# Altium PCB KSDK.PcbDoc (part 1 of 2)
Units mil, origin at the board's own origin, x right, y up, seen from the top; angles counter-clockwise.
Board outline 2046.95 x 2834.35 mil, 2 copper layers (Top Layer, Bottom Layer), stack 49.606 mil thick; 93 components, 114 nets, 465 pads, 312 vias.
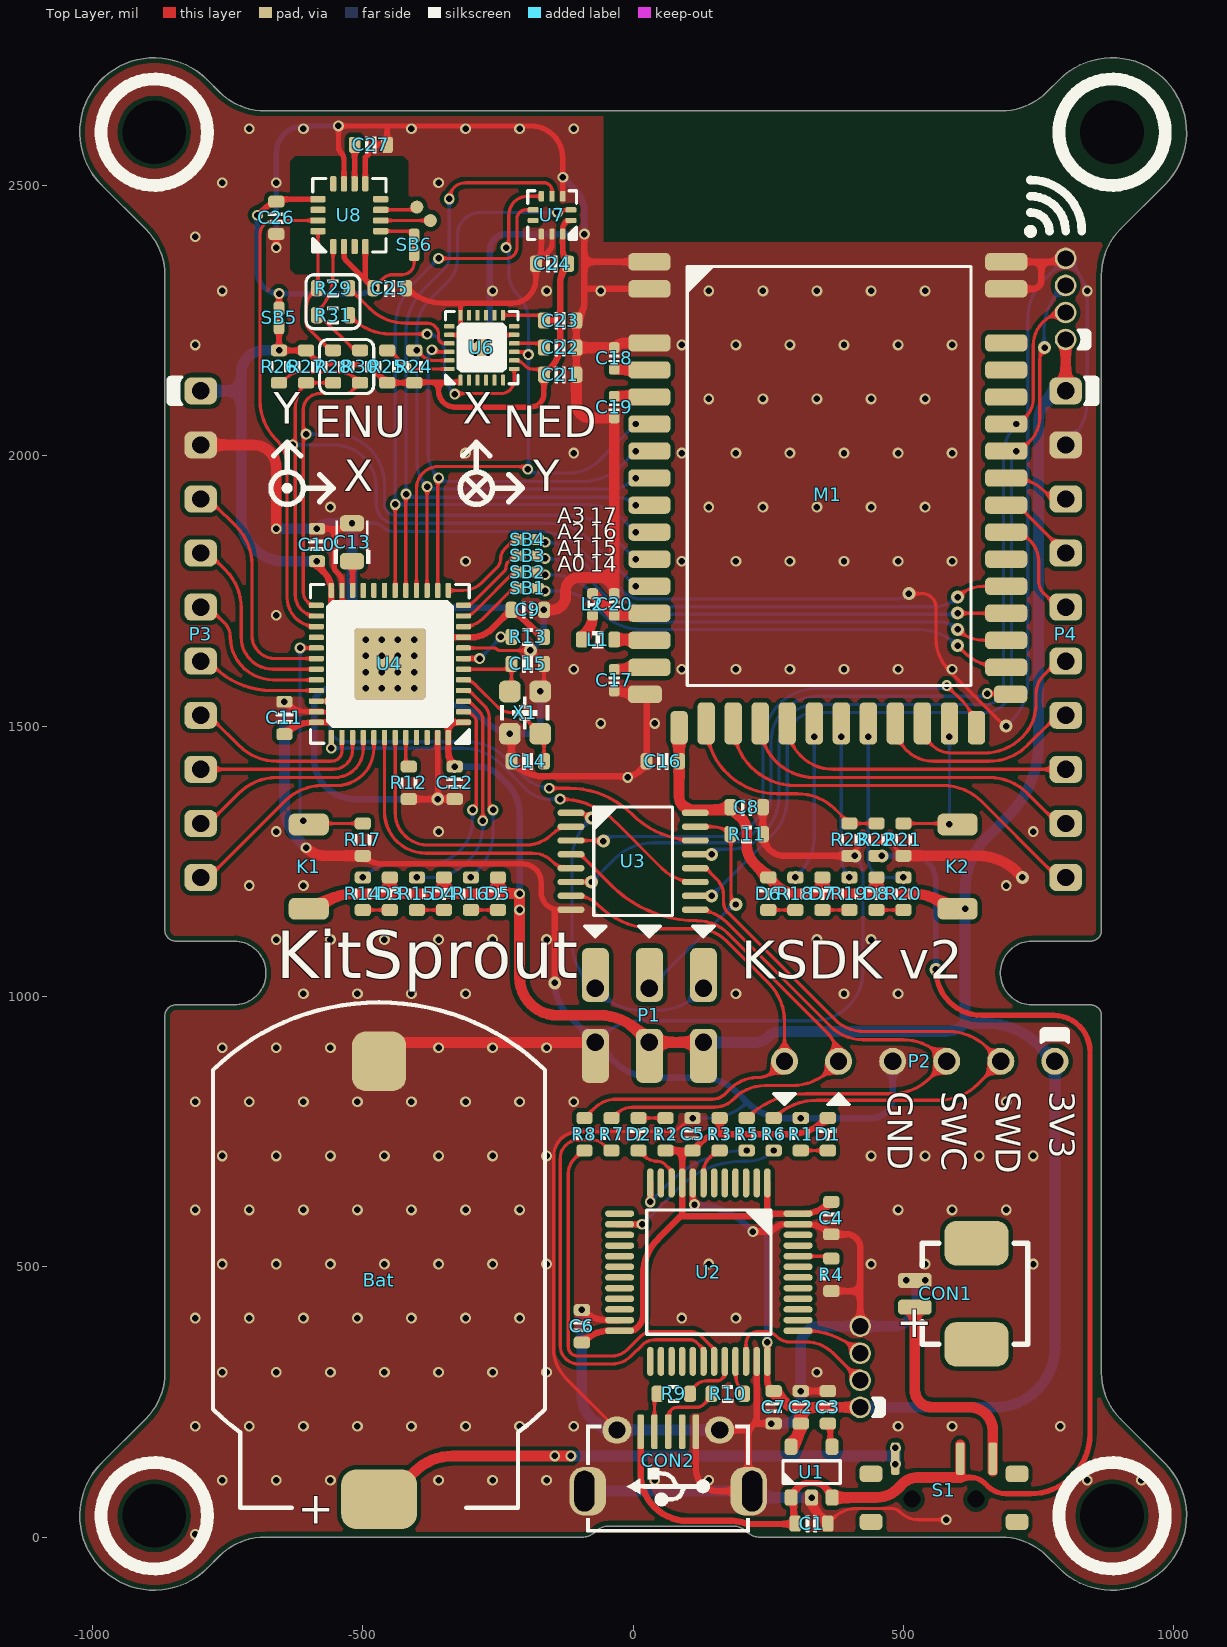
[diagram p0: Top Layer view]
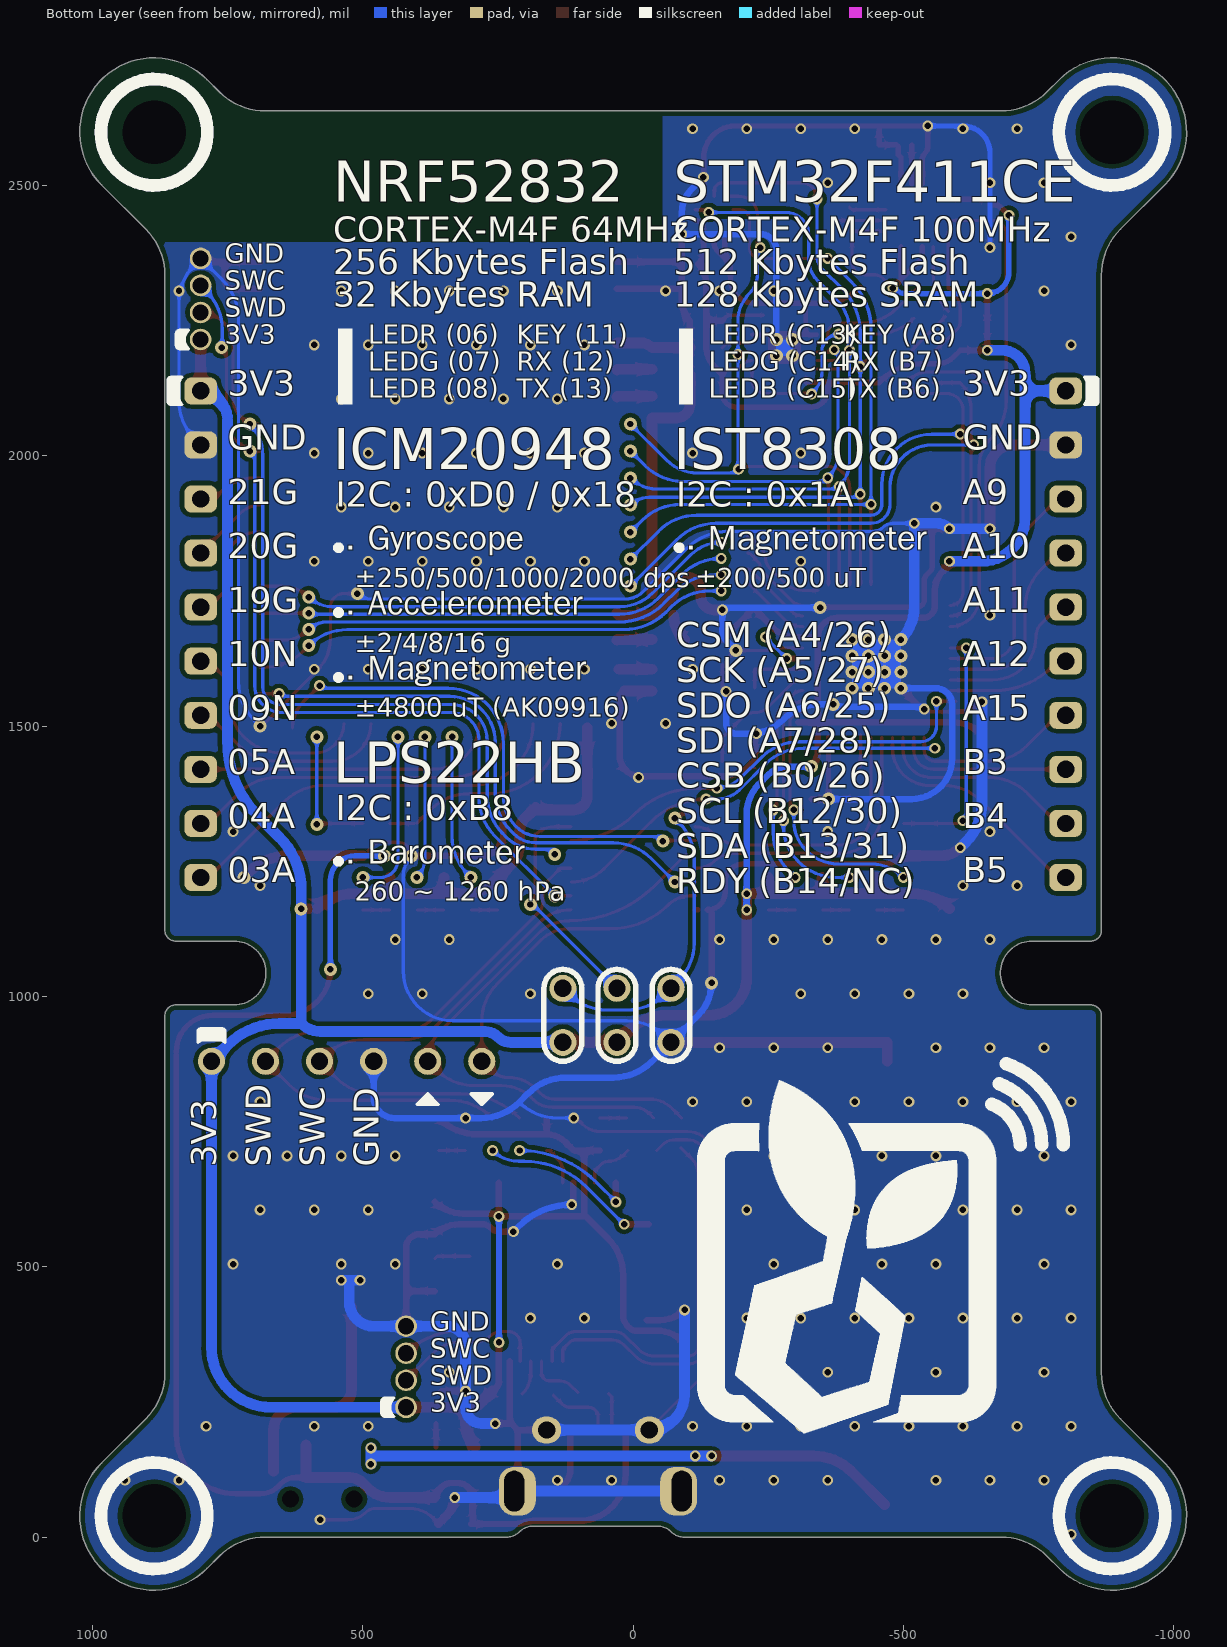
[diagram p1: Bottom Layer view, seen from below]
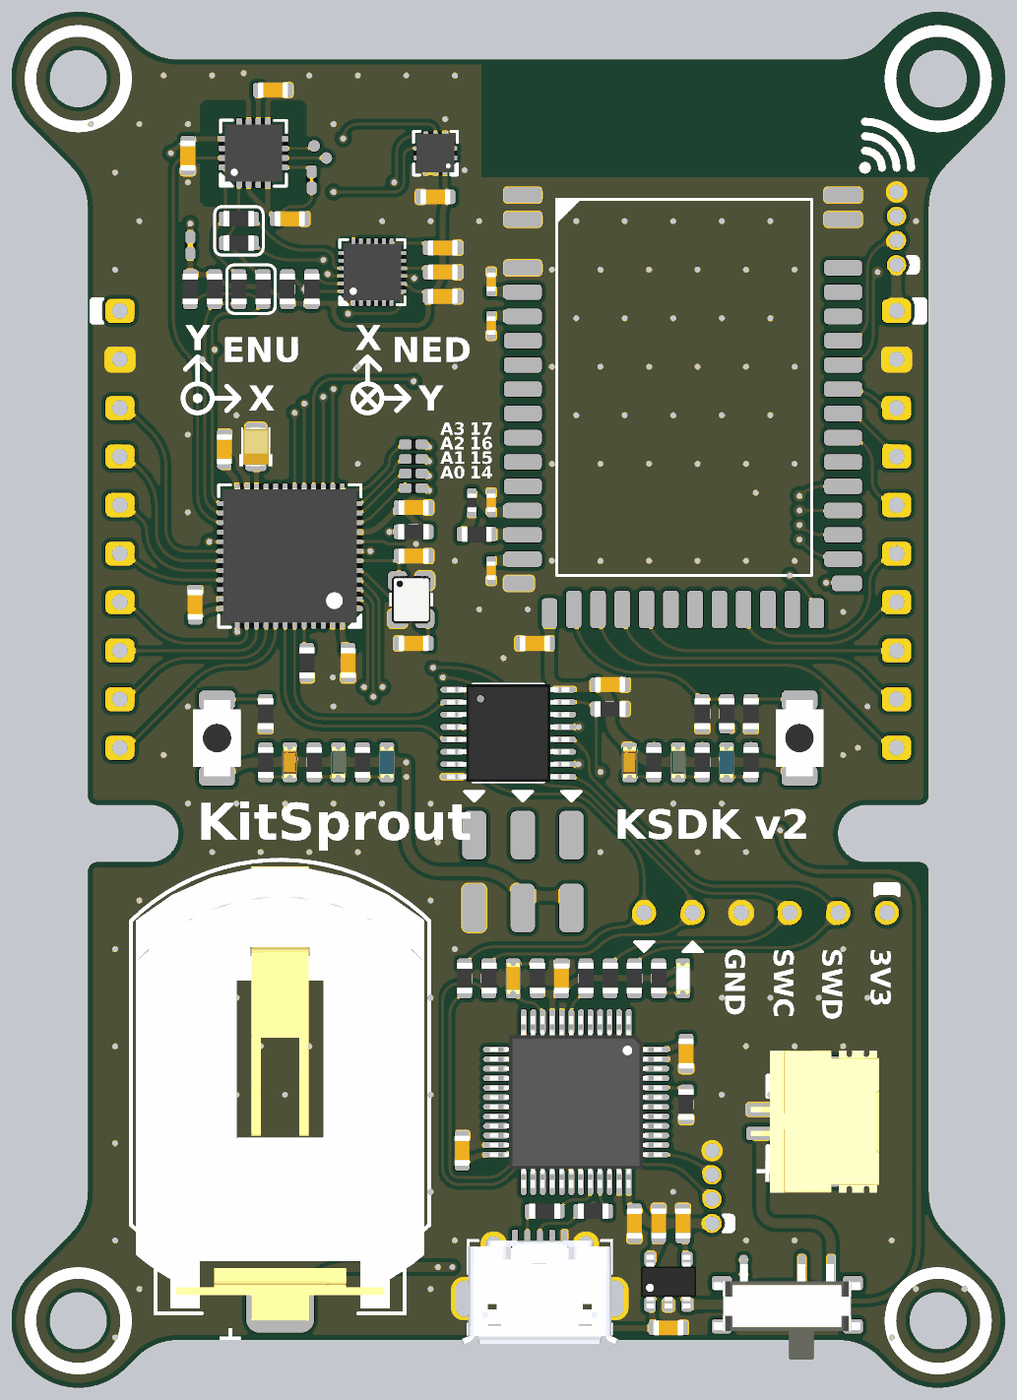
[diagram p3: 3D render of the assembled board from above, using the file's embedded part models]

## Layer stack, top to bottom
Top Solder: solder mask 0.3937, Solder Resist, Dk 3.5
Top Layer: signal copper 1.1811
Dielectric 1: dielectric 47.2441, FR-4, Dk 4.8
Bottom Layer: signal copper 1.1811
Bottom Solder: solder mask 0.3937, Solder Resist, Dk 3.5

## Board outline
-983.26,136.81 ccw(c-885.83,39.37) -788.39,-58.07 -765.68,-35.35 cw(c-680.32,-120.71) -680.32,0 -94.14,0 ccw(c-94.14,34.14) -70,10 cw(c-45.86,-14.14) -45.86,20 185.86,20 cw(c185.86,-14.14) 210,10 ccw(c234.14,34.14) 234.14,0 680.32,0 cw(c680.32,-120.71) 765.68,-35.35 788.39,-58.07 ccw(c885.83,39.37) 983.26,136.81 901.5,218.57 cw(c986.85,303.93) 866.14,303.93 866.14,964.57 ccw(c846.46,964.57) 846.46,984.25 738.19,984.25 cw(c738.19,1043.31) 738.19,1102.36 846.46,1102.36 ccw(c846.46,1122.05) 866.14,1122.05 866.14,2333.87 cw(c986.85,2333.87) 901.5,2419.22 983.26,2500.99 ccw(c885.83,2598.42) 788.39,2695.86 765.68,2673.15 cw(c680.33,2758.51) 680.33,2637.79 680.33,2637.8 -680.33,2637.79 cw(c-680.33,2758.51) -765.68,2673.15 -788.39,2695.86 ccw(c-885.83,2598.42) -983.26,2500.99 -901.5,2419.22 cw(c-986.85,2333.87) -866.14,2333.87 -866.14,1122.05 ccw(c-846.46,1122.05) -846.46,1102.36 -738.19,1102.36 cw(c-738.19,1043.31) -738.19,984.25 -846.46,984.25 ccw(c-846.46,964.57) -866.14,964.57 -866.14,303.93 cw(c-986.85,303.93) -901.5,218.57

## Design rules (kind name [scope] priority, off if disabled: settings)
BoardOutlineClearance [All] p1: gap=10 ignorepadtopadclearanceinfootprint=FALSE except(0: Arc-SplitContinuation Track-SplitContinuation SMDPad-SplitContinuation THPad-SplitContinuation Via-SplitContinuation Fill-SplitContinuation Poly-SplitContinuation Region-SplitContinuation Text-SplitContinuation)
Clearance ClearancePolygon [InPolygon] p1: gap=8 ignorepadtopadclearanceinfootprint=FALSE except(0: Arc-Hole Track-Hole SMDPad-Hole THPad-Hole Via-Hole Fill-Hole Poly-Hole Region-Hole Text-Hole)
Clearance [All] p2: gap=6 ignorepadtopadclearanceinfootprint=FALSE except(0: Arc-Hole Track-Hole SMDPad-Hole THPad-Hole Via-Hole Fill-Hole Poly-Hole Region-Hole Text-Hole)
ComponentClearance [All] p1: gap=0 collisioncheckmode=3 verticalgap=0 showdistances=FALSE
Height [All] p1: minheight=0 maxheight=5000 prefheight=500
HoleSize [All] p1: absolutevalues=TRUE maxlimit=200 minlimit=1 maxpercent=80.000 minpercent=20.000
HoleToHoleClearance [All] p1: gap=6 allowstackedmicrovias=TRUE
MinimumAnnularRing [All] p1: minimumring=4
MinimumSolderMaskSliver [All] p1: minsoldermaskwidth=0
PolygonConnect [All] p1: connectstyle=Direct reliefconductorwidth=10 reliefentries=4 polygonreliefangle="90 Angle" airgapwidth=10
RoutingVias [All] p1: holewidth=12 width=24 viastyle="Through Hole" minholewidth=12 minwidth=20 maxholewidth=28 maxwidth=50
SilkToSilkClearance [All] p1: silktosilkclearance=0
SilkToSolderMaskClearance [IsPad] p1: minsilkscreentomaskgap=0 clearancetoexposedcopper=TRUE
SolderMaskExpansion [All] p1: expansion=2
Width [All] p1: maxlimit=100 minlimit=6 preferedwidth=10
23 further rules are at their usual default settings.

## Classes and differential pairs
component class "[03] POWER": Bat C1 C2 C3 CON1 D1 R1 S1 U1
component class "[04] DOWNLOADER": C4 C5 C6 C7 C8 CON2 D2 P1 P2 R2 R3 R4 R5 R6 R7 R8 R9 R10 R11 U2 U3
component class "[05] MICROCONTROLLER": C9 C10 C11 C12 C13 C14 C15 D3 D4 D5 K1 P3 R12 R13 R14 R15 R16 R17 U4 X1
component class "[06] BLUETOOTH": C16 C17 C18 C19 C20 D6 D7 D8 K2 L1 L2 M1 P4 R18 R19 R20 R21 R22 R23 SB1 SB2 SB3 SB4
component class "[07] SENSOR": C21 C22 C23 C24 C25 C26 C27 R24 R25 R26 R27 R28 R29 R30 R31 SB5 SB6 U6 U7 U8

## Components (designator, comment, footprint, x,y, rotation, side; value= is the part's Value field where it differs from the comment)
Bat "Battery" CR2032-1 -470,550 r270 top locked (schematic designator BAT)
C1 "2.2uF" CAP_0603 330,25 r180 top
C2 "2.2uF" CAP_0603 310,240 r270 top
C3 "10nF" CAP_0603 360,240 r270 top
C4 "0.1uF" CAP_0603 366.58,590 r90 top
C5 "0.1uF" CAP_0603 110,745 r270 top
C6 "0.1uF" CAP_0603 -95,390 r270 top
C7 "0.1uF" CAP_0603 260,240 r90 top
C8 "0.1uF" CAP_0603 210,1350 r180 top
C9 "0.1uF" CAP_0603 -195,1715 r180 top
C10 "0.1uF" CAP_0603 -585,1835 r270 top
C11 "0.1uF" CAP_0603 -645,1515 r270 top
C12 "0.1uF" CAP_0603 -330,1395 r90 top
C13 "2.2uF" CAP_TAN_P0805 -520,1840 r90 top
C14 "10pF" CAP_0603 -195,1435 r0 top
C15 "10pF" CAP_0603 -195,1615 r180 top
C16 "0.1uF" CAP_0603 55,1435 r0 top
C17 "0.1uF" CAP_0402 -35,1585 r90 top
C18 "N.C." CAP_0402 -35,2180 r270 top
C19 "100pF" CAP_0402 -35,2090 r90 top
C20 "1uF" CAP_0402 -35,1725 r270 top
C21 "10nF" CAP_0603 -135,2150 r180 top
C22 "0.1uF" CAP_0603 -135,2200 r180 top
C23 "0.1uF" CAP_0603 -135,2250 r180 top
C24 "0.1uF" CAP_0603 -150,2355 r0 top
C25 "0.1uF" CAP_0603 -450,2310 r180 top
C26 "0.1uF" CAP_0603 -660,2440 r90 top
C27 "4.7uF" CAP_0603 -485,2575 r180 top
CON1 "MX1.25_2P" MX1.25_S90_2P 635,450 r90 top locked
CON2 "MicroUSB" USB_Micro-AB 65,95 r180 top locked
D1 "WHITE" LED_0603_YELLOW 360,745 r270 top
D2 "YELLOW" LED_0603_ORANGE 10,745 r270 top
D3 "RED" LED_0603_RED -450,1190 r270 top
D4 "GREEN" LED_0603_GREEN -350,1190 r270 top
D5 "BLUE" LED_0603_BLUE -250,1190 r270 top
D6 "RED" LED_0603_RED 250,1190 r270 top
D7 "GREEN" LED_0603_GREEN 350,1190 r270 top
D8 "BLUE" LED_0603_BLUE 450,1190 r270 top
K1 "ButtonTACT" ButtonTACT_3x4x2_180H -600,1240 r270 top
K2 "ButtonTACT" ButtonTACT_3x4x2_180H 600,1240 r270 top
L1 "10uH" IND_0603 -65,1660 r0 top
L2 "15nH" IND_0402 -75,1725 r270 top
M1 "BT_E73-2G4M04S" E73-2G4M04S 360,2055 r0 top locked value=nRF52832
P1 "HDR2x3_2.54" HDR2X3_2.54_180 130,1015 r270 top locked
P2 "DIP 1x6" HDR1X6_2.54_180 780,880 r270 top locked value=2.54
P3 "DIP 1x10" HDR1X10_2.54_180 -800,2120 r0 top value=2.54
P4 "DIP 1x10" HDR1X10_2.54_180 800,2120 r0 top value=2.54
R1 "1K" RES_0603 310,745 r270 top
R2 "1K" RES_0603 60,745 r270 top
R3 "10K" RES_0603 160,745 r90 top
R4 "10K" RES_0603 366.58,485 r90 top
R5 "100R" RES_0603 210,745 r90 top
R6 "100R" RES_0603 260,745 r90 top
R7 "100R" RES_0603 -40,745 r90 top
R8 "100R" RES_0603 -90,745 r90 top
R9 "22R" RES_0603 75,265 r0 top
R10 "22R" RES_0603 175,265 r0 top
R11 "10K" RES_0603 210,1300 r180 top
R12 "10K" RES_0603 -415,1395 r90 top
R13 "10K" RES_0603 -195,1665 r0 top
R14 "680R" RES_0603 -500,1190 r270 top
R15 "680R" RES_0603 -400,1190 r270 top
R16 "680R" RES_0603 -300,1190 r270 top
R17 "10K" RES_0603 -500,1290 r90 top
R18 "680R" RES_0603 300,1190 r270 top
R19 "680R" RES_0603 400,1190 r270 top
R20 "680R" RES_0603 500,1190 r270 top
R21 "10K" RES_0603 500,1290 r90 top
R22 "4.7K" RES_0603 450,1290 r270 top
R23 "4.7K" RES_0603 400,1290 r90 top
R24 "4.7K" RES_0603 -405,2165 r270 top
R25 "4.7K" RES_0603 -455,2165 r270 top
R26 "4.7K" RES_0603 -655,2165 r90 top
R27 "4.7K" RES_0603 -605,2165 r90 top
R28 "0R" RES_0603 -555,2165 r270 top
R29 "0R" RES_0603 -555,2310 r0 top
R30 "0R" RES_0603 -505,2165 r270 top
R31 "0R" RES_0603 -555,2260 r0 top
S1 "SPDT 3P" SwitchSPDT_2.8X6.6_90 575,70 r0 top locked
SB1 "Solderbridge" Solderbridge -195,1755 r180 top
SB2 "Solderbridge" Solderbridge -195,1785 r180 top
SB3 "Solderbridge" Solderbridge -195,1815 r180 top
SB4 "Solderbridge" Solderbridge -195,1845 r180 top
SB5 "Solderbridge" Solderbridge_Shorted -655,2255 r90 top
SB6 "Solderbridge" Solderbridge_Shorted -405,2390 r90 top
U1 "SP6205" SOT23-5 330,120 r90 top
U2 "STM32F072C" LQFP_P0.5_48 140,490 r270 top locked
U3 "SN74CB3Q3257" TSSOP_E170_P0.65_16 0,1250 r0 top
U4 "STM32F411CE" QFN_P0.5_48 -450,1615 r180 top locked
U6 "MPU6500/9250" QFN_P0.4_24 -280,2200 r90 top
U7 "LPS22HB" HCLGA-2x2_10 -150,2445 r180 top
U8 "IST8308/8310" QFN_P0.5_16 -525,2445 r90 top
X1 "16MHz" XT_2520_4 -200,1525 r270 top

## Footprints (in the part's own frame and the unit in brackets; to place one, negate y for a bottom-side part, rotate by r counter-clockwise, add the part's x,y. Pads: shape width x height; smd on the part's side, far side on the other; paste and mask are expansions set on the pad)
ButtonTACT_3x4x2_180H [mil]
  rrect50% 40x74 smd: 1(-78,0) 2(78,0)
  body extent -79,-49 79,49, height 63
CAP_0402 [mil]
  rrect50% 20x20 smd: 1(-20,0) 2(20,0)
  silkscreen extent -7,-9 7,9, body extent -20,-10 20,10, height 20
CAP_0603 [mil]
  rrect50% 22x30 smd: 1(-30,0) 2(30,0)
  silkscreen extent -10,-15 10,15, body extent -31,-16 31,16, height 31
CAP_TAN_P0805 [mil]
  rrect50% 30x44 smd: 1(-35,0) 2(35,0)
  silkscreen extent -40,-34 40,34, body extent -40,-27 40,27, height 59
CR2032-1 [mil]
  rrect50% 110x100 smd: 1(-330,0)
  rrect50% 110x140 smd: 2(480,0)
  silkscreen extent -439,-307 496,307, body extent -425,-297 510,297, height 191
E73-2G4M04S [mil]
  rrect50% 78x32 smd: 1(-330,303.74) 2(-330,253.74) 3(-330,153.74) 4(-330,103.74) 5(-330,53.74) 6(-330,3.74) 7(-330,-46.26) 8(-330,-96.26) 9(-330,-146.26) 10(-330,-196.26) 11(-330,-246.26) 12(-330,-296.26) 13(-330,-346.26) 14(-330,-396.26) 15(-330,-446.26) 30(330,-446.26) 31(330,-396.26) 32(330,-346.26) 33(330,-296.26) 34(330,-246.26) 35(330,-196.26) 36(330,-146.26) 37(330,-96.26) 38(330,-46.26) 39(330,3.74) 40(330,53.74) 41(330,103.74) 42(330,153.74) 43(330,253.74) 44(330,303.74)
  rrect50% 62.99x32 smd: 16(-338,-496.26)
  rrect50% 32x62 smd: 17(-275,-558) 28(275,-558)
  rrect50% 32x78 smd: 18(-225,-550) 19(-175,-550) 20(-125,-550) 21(-75,-550) 22(-25,-550) 23(25,-550) 24(75,-550) 25(125,-550) 26(175,-550) 27(225,-550)
  rrect50% 62x32 smd: 29(338,-496.26)
HCLGA-2x2_10 [mil]
  rrect50% 20x10 smd: 1(-35,9.84) 2(-35,-9.84) 6(35,-9.84) 7(35,9.84)
  rrect50% 10x20 smd: 3(-19.69,-35) 4(0,-35) 5(19.69,-35) 8(19.69,35) 9(0,35) 10(-19.69,35)
  silkscreen extent -45,-45 45,45, body extent -39,-39 39,39, height 31
HDR1X6_2.54_180 [mil]
  round 50 hole 32: 1(0,0) 2(0,-100) 3(0,-200) 4(0,-300) 5(0,-400) 6(0,-500)
HDR1X10_2.54_180 [mil]
  round 50 hole 32: 1(0,0) 2(0,-100) 3(0,-200) 4(0,-300) 5(0,-400) 6(0,-500) 7(0,-600) 8(0,-700) 9(0,-800) 10(0,-900)
HDR2X3_2.54_180 [mil]
  round 50 hole 32: 1(0,0) 2(100,0) 3(0,-100) 4(100,-100) 5(0,-200) 6(100,-200)
IND_0402 [mil]
  rrect50% 20x20 smd: 1(-20,0) 2(20,0)
  silkscreen extent -7,-9 7,9, body extent -20,-10 20,10, height 20
IND_0603 [mil]
  rrect50% 22x30 smd: 1(-30,0) 2(30,0)
  silkscreen extent -10,-15 10,15, body extent -31,-16 31,16, height 31
LED_0603_BLUE [mil]
  rrect50% 22x30 smd: 1(-30,0) 2(30,0)
  silkscreen extent -10,-16 10,16, body extent -32,-16 32,16, height 24
LED_0603_GREEN [mil]
  rrect50% 22x30 smd: 1(-30,0) 2(30,0)
  silkscreen extent -10,-16 10,16, body extent -32,-16 32,16, height 24
LED_0603_ORANGE [mil]
  rrect50% 22x30 smd: 1(-30,0) 2(30,0)
  silkscreen extent -10,-16 10,16, body extent -32,-16 32,16, height 24
LED_0603_RED [mil]
  rrect50% 22x30 smd: 1(-30,0) 2(30,0)
  silkscreen extent -10,-16 10,16, body extent -32,-16 32,16, height 24
LED_0603_YELLOW [mil]
  rrect50% 22x30 smd: 1(-30,0) 2(30,0)
  silkscreen extent -10,-16 10,16, body extent -32,-16 32,16, height 24
LQFP_P0.5_48 [mil]
  oval 54x12 smd: 1(-165,108.27) 2(-165,88.58) 3(-165,68.9) 4(-165,49.21) 5(-165,29.53) 6(-165,9.84) 7(-165,-9.84) 8(-165,-29.53) 9(-165,-49.21) 10(-165,-68.9) 11(-165,-88.58) 12(-165,-108.27) 25(165,-108.27) 26(165,-88.58) 27(165,-68.9) 28(165,-49.21) 29(165,-29.53) 30(165,-9.84) 31(165,9.84) 32(165,29.53) 33(165,49.21) 34(165,68.9) 35(165,88.58) 36(165,108.27)
  oval 12x54 smd: 13(-108.27,-165) 14(-88.58,-165) 15(-68.9,-165) 16(-49.21,-165) 17(-29.53,-165) 18(-9.84,-165) 19(9.84,-165) 20(29.53,-165) 21(49.21,-165) 22(68.9,-165) 23(88.58,-165) 24(108.27,-165) 37(108.27,165) 38(88.58,165) 39(68.9,165) 40(49.21,165) 41(29.53,165) 42(9.84,165) 43(-9.84,165) 44(-29.53,165) 45(-49.21,165) 46(-68.9,165) 47(-88.58,165) 48(-108.27,165)
  silkscreen extent -115,-115 115,115, body extent -177,-178 177,177, height 61
MX1.25_S90_2P [mil]
  rrect50% 82x118 smd: 0(-93.58,0) 0(93.58,0)
  rrect50% 28x62 smd: 1(-24.61,114) 2(24.61,114)
  silkscreen extent -94,-95 94,100, body extent -147,-129 147,135, height 98
QFN_P0.4_24 [mil]
  rrect50% 20x8 smd: 1(-60,39.37) 2(-60,23.62) 3(-60,7.87) 4(-60,-7.87) 5(-60,-23.62) 6(-60,-39.37) 13(60,-39.37) 14(60,-23.62) 15(60,-7.87) 16(60,7.87) 17(60,23.62) 18(60,39.37)
  rrect50% 8x20 smd: 7(-39.37,-60) 8(-23.62,-60) 9(-7.87,-60) 10(7.87,-60) 11(23.62,-60) 12(39.37,-60) 19(39.37,60) 20(23.62,60) 21(7.87,60) 22(-7.87,60) 23(-23.62,60) 24(-39.37,60)
  rrect20% 32x32 smd: 25(0,0)
  silkscreen extent -67,-67 67,67, body extent -60,-60 60,60, height 39
QFN_P0.5_16 [mm]
  rrect50% 0.72x0.3 smd: 1(-1.473,0.75) 2(-1.473,0.25) 3(-1.473,-0.25) 4(-1.473,-0.75) 9(1.473,-0.75) 10(1.473,-0.25) 11(1.473,0.25) 12(1.473,0.75)
  rrect50% 0.3x0.72 smd: 5(-0.75,-1.473) 6(-0.25,-1.473) 7(0.25,-1.473) 8(0.75,-1.473) 13(0.75,1.473) 14(0.25,1.473) 15(-0.25,1.473) 16(-0.75,1.473)
  silkscreen extent -1.73,-1.73 1.73,1.73, body extent -1.5,-1.5 1.5,1.5, height 1
QFN_P0.5_48 [mil]
  rrect50% 28x10 smd: 1(-136,108.27) 2(-136,88.58) 3(-136,68.9) 4(-136,49.21) 5(-136,29.53) 6(-136,9.84) 7(-136,-9.84) 8(-136,-29.53) 9(-136,-49.21) 10(-136,-68.9) 11(-136,-88.58) 12(-136,-108.27) 25(136,-108.27) 26(136,-88.58) 27(136,-68.9) 28(136,-49.21) 29(136,-29.53) 30(136,-9.84) 31(136,9.84) 32(136,29.53) 33(136,49.21) 34(136,68.9) 35(136,88.58) 36(136,108.27)
  rrect50% 10x28 smd: 13(-108.27,-136) 14(-88.58,-136) 15(-68.9,-136) 16(-49.21,-136) 17(-29.53,-136) 18(-9.84,-136) 19(9.84,-136) 20(29.53,-136) 21(49.21,-136) 22(68.9,-136) 23(88.58,-136) 24(108.27,-136) 37(108.27,136) 38(88.58,136) 39(68.9,136) 40(49.21,136) 41(29.53,136) 42(9.84,136) 43(-9.84,136) 44(-29.53,136) 45(-49.21,136) 46(-68.9,136) 47(-88.58,136) 48(-108.27,136)
  rrect10% 132x132 smd: 49(0,0)
  silkscreen extent -147,-147 147,147, body extent -139,-139 139,139, height 22
RES_0603 [mil]
  rrect50% 22x30 smd: 1(-30,0) 2(30,0)
  silkscreen extent -10,-16 10,16, body extent -31,-16 31,16, height 18
Solderbridge [mil]
  rrect50% 26x20 smd: 1(-17,0) 2(17,0)
Solderbridge_Shorted [mil]
  rrect50% 26x20 smd: 1(-17,0) 2(17,0)
  Top Layer lines w6: -17,0 17,0
SOT23-5 [mil]
  rrect50% 30x24 smd: 1(-47,38) 2(-47,0) 3(-47,-38) 4(47,-38) 5(47,38)
  silkscreen extent -21,-53 21,53, body extent -55,-57 55,57, height 57
SwitchSPDT_2.8X6.6_90 [mil]
  rrect50% 42x30 smd: 0(-135,-42) 0(-135,47) 0(135,-42) 0(135,47)
  round 10 hole 31.5: 0(-59.06,0) 0(59.06,0)
  rrect50% 16x60 smd: 1(90,75) 2(30,75) 3(-90,75)
  body extent -152,-111 151,86, height 55
TSSOP_E170_P0.65_16 [mil]
  oval 50x12 smd: 1(-115,89.57) 2(-115,63.98) 3(-115,38.39) 4(-115,12.8) 5(-115,-12.8) 6(-115,-38.39) 7(-115,-63.98) 8(-115,-89.57) 9(115,-89.57) 10(115,-63.98) 11(115,-38.39) 12(115,-12.8) 13(115,12.8) 14(115,38.39) 15(115,63.98) 16(115,89.57)
  silkscreen extent -73,-100 73,101, body extent -126,-100 126,100, height 47
USB_Micro-AB [mil]
  rrect80% 68x90 hole 37 slot 75 at 90 deg copper offset 6,0 mask+0: 0(-155,10)
  oval 54x50 hole 32 mask+0: 0(-95,-103) 0(95,-103)
  rrect80% 68x90 hole 37 slot 75 at 90 deg copper offset -6,0 mask+0: 0(155,10)
  rrect50% 12x64 smd: 1(51.18,-100) 2(25.59,-100) 3(0,-100) 4(-25.59,-100) 5(-51.18,-100)
  silkscreen extent -150,-113 150,86, body extent -161,-109 161,104, height 108
XT_2520_4 [mil]
  rrect50% 40x40 smd: 1(39,28) 2(-39,28) 3(-39,-28) 4(39,-28)
  silkscreen extent -30,-44 30,44, body extent -49,-39 49,39, height 31

## Part data
C1 C2 C3 C4 C5 C6 C7 C8 C9 C10 C11 C12 C14 C15 C16 C21 C22 C23 C24 C25 C26 C27: library part Cap_0603, "Capacitor", Type=0603
C13: library part Cap_Tan_0805, "Capacitor Tantalum", Type=0805
C17 C18 C19 C20: library part Cap_0402, "Capacitor", Type=0402
CON1: "MX"
CON2: library part USB_Micro, "USB"
D1 D2 D3 D4 D5 D6 D7 D8: library part LED_0603, "LED", Type=0603
K1 K2: library part ButtonTACT_3x4x2_180, "Button"
L1: library part Ind_0603, "Inductor", Type=0603
L2: library part Ind_0402, "Inductor", Type=0402
M1: "Module"
P1: "Header"
P2: library part HDR1x6_2.54T, "Header", Type="DIP 1x6"
P3 P4: library part HDR1x10_2.54T, "Header", Type="DIP 1x10"
R1 R2 R3 R4 R5 R6 R7 R8 R9 R10 R11 R12 R13 R14 R15 R16 R17 R18 R19 R20 R21 R22 R23 R24 R25 R26 R27 R28 R29 R30 R31: library part Res_0603, "Resistor", Type=0603
S1: library part SwitchSPDT_2.8x6.6_90, "Switch", Type=SPDT
SB5 SB6: "Shorted Solderbridge"
U1: "Power", Type=SOT23-5
U2: library part STM32F103C, "MCU", Type="LQFP48 P0.5"
U3: "Switch", Type="TSSOP16 P0.65"
U4: library part STM32F4x1C, "MCU", Type="QFN48 P0.5"
U6: library part MPU925x, "Sensor Motion", Type="QFN24 P0.4"
U7: "Sensor Pressure", Type="LGA10 P0.5"
U8: library part IST8310, "Sensor Magnetometer", Type="QFN16 P0.5"
X1: library part XTAL_2520_4P, "Crystal Oscillator", Type=XTAL2520

## Free pads (board coordinates)
  round 115 hole 118.11 unplated mask+0: 0(-885.83,2598.42) 0(-885.83,39.37) 0(885.83,39.37) 0(885.83,2598.42)
  round 24 smd: 0(-400,2460) 0(-375,2435)
  round 40 hole 30: 0(420,240) 0(420,290) 0(420,340) 0(420,390) 0(800,2215) 0(800,2265) 0(800,2315) 0(800,2365)
  rrect50% 60x50 all layers, no hole: 1(-800,1220) 1(-800,1320) 1(-800,1420) 1(-800,1520) 1(-800,1620) 1(-800,1720) 1(-800,1820) 1(-800,1920) 1(-800,2020) 1(-800,2120) 1(800,1220) 1(800,1320) 1(800,1420) 1(800,1520) 1(800,1620) 1(800,1720) 1(800,1820) 1(800,1920) 1(800,2020) 1(800,2120)
  rrect50% 50x100 smd: 1(-70,890) 1(-70,1040) 1(30,1040) 1(30,890) 1(130,890) 1(130,1040)

## Via types
v1: diameter 20, hole 12, Top Layer to Bottom Layer, tented both sides, 251 vias
v2: diameter 24, hole 12, Top Layer to Bottom Layer, tented both sides, 61 vias

## Nets (pads, with @x,y where several pads share a name; then routed paths per layer and width w, separated by ;. In a path a pad name is that pad's centre, name@x,y a point inside that pad or via, vN(x,y) a via of type N, cw(c..) or ccw(c..) an arc to the next point about the centre after c; other vN are vias at no path point)
+3V: Bat.2 S1.3 | length 1043
  Top Layer w20: Bat.2@-465,60 -404.29,120.71 cw(c-333.58,50) -333.58,150 v1(-145,150) v1(-115,150)
  Bottom Layer w20: v1(-145,150) v1(-115,150) 485,150 ; v1(485,135) 485,150 ; v1(485,165) 485,150
+3V3: C2.2 C4.2 C5.2 C6.2 C7.2 C8.2 C9.2 C10.2 C11.2 C12.2 C16.2 C21.2 C23.2 C24.2 C25.2 C26.2 D1.1 D3.1 D4.1 D5.1 D6.1 D7.1 D8.1 K1.2 K2.2 M1.17 P1.2 P1.4 P2.1 P3.1 P4.1 pad.0@420,240 pad.0@800,2215 pad.1@30,890 pad.1@130,890 pad.1@800,2120 pad.1@-800,2120 R2.2 R3.2 R13.2 R24.2 R25.2 R26.2 R27.2 SB5.1 SB5.2 SB6.1 SB6.2 U1.5 U2.1 U2.9 U2.24 U2.36 U2.48 U3.16 U4.1 U4.9 U4.24 U4.36 U4.48 U6.1 U6.8 U6.13 U7.1 U7.10 U8.2 U8.4 U8.5 U8.13 | length 10715.6
  Top Layer w6: -495.47,2326.14 ccw(c-493.86,2326.14) -495,2325 ; v1(-480,2310) -462.07,2327.93 cw(c-445,2310.86) -445,2335 -427.07,2335 ccw(c-427.07,2357.07) -405,2357.07 SB6.1@-405,2373 ; U8.5@-467,2415.47 SB6.2@-402.47,2415.47 ; U6.1@-319.37,2135 U6.1@-319.37,2140 U6.1@-319.37,2145.63 ; U6.13@-240.63,2260 -175,2260 C23.2@-165,2250 ; U6.8@-220,2176.38 cw(c-220,2151.82) -202.65,2169.2 -199.98,2166.52 ; -199.97,2166.52 ccw(c-184.23,2182.27) -184.23,2160 -175,2160 C21.2@-165,2150
  Top Layer w8: -495,2325 v1(-480,2310)
  Top Layer w10: v1(-695,2445) -685.61,2454.39 cw(c-660,2428.79) C26.2@-660,2465 ; C26.2@-660,2474.53 U8.13@-583,2474.53 ; v1(-655,2300) v1(-655,2195) R27.2@-605,2195 -592.5,2182.5 ccw(c-562.32,2212.68) -562.32,2170 -530,2170 cw(c-530,2073.43) -461.72,2141.72 R25.2@-455,2135 R24.2@-410,2135 ; U8.2@-534.84,2387 -534.84,2371.69 ccw(c-518.31,2371.69) -530,2360 v1(-480,2310) ; -495.47,2326.14 U8.4@-495.47,2387 ; R24.2@-406,2136 -360,2136 ; U6.1@-320.37,2136 -360,2136 ; C21.2@-165,2150 -165,2115 cw(c-190,2115) -190,2090 -330,2090 cw(c-330,2120) -360,2120 -360,2136 ; U7.10@-130.31,2410 -130.31,2379.9 ccw(c-95.1,2379.9) C24.2@-120,2355 ; U7.10@-130.31,2419.9 cw(c-115,2419.84) U7.1@-115,2435.16
  Top Layer w12: C11.2@-645,1485 cw(c-592.53,1432.53) -592.53,1506.73 U4.36@-586,1506.73 -341.73,1506.73 ; v1(-585,1805) -585,1797.8 -571.63,1784.43 cw(c-603.9,1752.16) -558.27,1752.16 U4.24@-558.27,1751 -558.27,1722.65 ccw(c-535.62,1722.65) -551.64,1706.64 ccw(c-535.6,1722.68) -535.6,1700 -377.52,1700 cw(c-377.52,1664.21) -341.73,1664.21 ; v2(-330,1425) cw(c-301.68,1453.32) -341.73,1453.32 U4.48@-341.73,1479 -341.73,1506.73 ; U4.1@-305,1506.73 U4.1@-314,1506.73 -341.73,1506.73 ; -261.18,1679.93 cw(c-299.17,1717.97) -299.17,1664.21 U4.9@-314,1664.21 -341.73,1664.21 ; -261.15,1679.96 -255.03,1686.08 -223.06,1718.06 R13.2@-165,1660 ; C21.2@-165,2150 -152.67,2162.33 ccw(c-195.35,2205) -135,2205 -135,2250 ; C23.2@-165,2250 -135,2250 ; C24.2@-120,2355 ccw(c-83.79,2318.79) -135,2318.79 -135,2250 ; C6.2@-95,360 cw(c-42.53,307.53) -42.53,381.73 U2.24@-25,381.73 -6.36,381.73 ccw(c-6.36,401.36) 7.52,387.48 10.08,390.04 ccw(c-9.88,410) 18.35,410 18.35,484.08 cw(c114.62,484.08) 46.53,552.15 87.36,593 90.79,593 ; R2.2@61.58,715 90.79,715 ; R3.2@160,775 160,745 ; v1@248.27,360 U2.36@248.27,325 248.27,288.02 ccw(c267.71,288.02) C7.2@253.96,274.28 ; v1(248.27,593) 90.79,593 ; U2.1@248.27,655 248.27,598.27 U2.48@301.58,598.27 ; U2.48@305,598.27 314.11,598.27 ccw(c314.11,672.47) C4.2@366.58,620 ; D1.1@360,775 cw(c287.57,847.43) 287.57,745 160,745 ; -341.73,1506.73 -341.73,1664.21 ; 90.79,593 U2.9@90.79,655 90.79,715 ; 90.79,715 C5.2@110,715 125.86,730.86 cw(c160,696.72) 160,745
  Top Layer w16: P2.1@770,870 P2.1@785,870
  Top Layer w20: K1.2@-585,1162 cw(c-517.4,1094.4) -517.4,1190 -450,1190 ; D3.1@-450,1220 -450,1190 ; D4.1@-350,1220 -350,1190 ; D5.1@-250,1220 -250,1190 ; M1.17@85,1497 85,1370 ccw(c110,1370) 110,1345 C8.2@180,1345 ; P1.2@130,915 P1.4@30,915 9.29,935.71 ccw(c-61.42,865) -61.42,965 -140,965 cw(c-140,1035) -210,1035 v1(-210,1160) v1(-210,1190) -250,1190 ; C8.2@180.31,1349.69 199.39,1330.61 cw(c173.79,1305) 210,1305 210,1280 ccw(c258.28,1280) 224.14,1245.86 262.32,1207.68 ccw(c305,1250.36) 305,1190 350,1190 ; C7.2@260,270 284.14,245.86 ccw(c298.29,260.01) 298.29,240 310,240 ; U1.5@292,167 292.32,167.32 ccw(c249.64,210) C2.2@310,210 310,240 ; D7.1@350,1220 350,1190 ; pad.0@420,240 310,240 ; D8.1@450,1220 450,1190 ; K2.2@585,1162 ccw(c517.4,1094.4) 517.4,1190 450,1190 ; K2.2@600,1162 v2(614.01,1162) ; pad.1@800,2120 pad.0@800,2215 ; -450,1190 -350,1190 ; -350,1190 -250,1190 ; 350,1190 450,1190
  Bottom Layer w10: v1@-695,2450 v1(-695,2445) -695,2340 ccw(c-655,2340) v1(-655,2300) -504.14,2300 ccw(c-504.14,2334.14) v1(-480,2310)
  Bottom Layer w12: v2(-330,1425) -286.23,1425 cw(c-286.23,1373.76) -250.01,1410.01 -233.06,1393.06 cw(c-288.72,1337.39) -210,1337.39 v1(-210,1190) v1(-210,1160) ; v1(248.11,360) v1@248.11,593
  Bottom Layer w20: pad.1@-800,2120 -725,2120 ; v1(-655,2195) -682.68,2195 ccw(c-682.68,2152.68) -725,2152.68 -725,2120 ; v1(-585,1805) -645,1805 cw(c-645,1885) -725,1885 -725,2120 ; P1.2@130,915 225.86,915 ccw(c225.86,949.14) 250,925 cw(c274.14,900.86) 274.14,935 577.8,935 ccw(c577.8,986.21) 614.01,950 ; pad.0@420,240 669.17,240 ccw(c669.17,350.83) 780,350.83 P2.1@780,880 749.4,910.55 ccw(c654.01,815) 654.01,950 614.01,950 ; pad.1@805,2120 ccw(c805,2065) 750,2065 750,1469.27 cw(c558.62,1469.27) 693.95,1333.95 653.95,1293.95 ccw(c750.36,1197.53) 614.01,1197.53 614.01,950
+VBAT: CON1.1 S1.1 | length 415.6
  Top Layer w20: CON1.1@521,425.39 521,272.42 ccw(c553.42,272.42) 553.42,240 622.68,240 cw(c622.68,197.68) 665,197.68 S1.1@665,145 S1.1@665,121.75
+VIN: C1.2 CON2.1 R22.2 S1.2 U1.1 U1.3 | length 2543.1
  Top Layer w10: v2(560,1050) ccw(c645,1050) 645,965 777.61,965 cw(c777.61,897.61) 845,897.61 ; 605,110 625.86,110 cw(c625.86,75.86) 650,100 655.86,94.14 ccw(c690,128.28) 690,80 734.17,80 ccw(c734.17,190.83) 845,190.83 845,892.61
  Top Layer w12: CON2.1@13.82,195 13.82,116.83 ccw(c100.65,116.83) 100.65,30 184.96,30 cw(c184.96,-18.37) 201.51,27.08 ccw(c218.05,72.54) 218.05,24.17 C1.2@299.17,24.17 ; C1.2@297,25 297,73 cw(c324,73) 299.64,84.64 cw(c324,73) 312.36,97.36 cw(c324,73) 324,100 336,100 cw(c336,73) 347.64,97.36 cw(c336,73) 360.36,84.64 cw(c336,73) U1.3@363,73
  Top Layer w20: U1.3@368,73 448.96,73 ccw(c448.96,131.04) 489.97,89.97 ; 490,90 499.39,99.39 cw(c525,73.79) 525,110 605,110 S1.2@605,145 S1.2@605,170
  Bottom Layer w10: v2(460,1260) 514.19,1260 cw(c514.19,1214.19) 560,1214.19 v2(560,1050)
ADC: M1.18 R22.1 R23.2 | length 402.7
  Top Layer w6: M1.18@135,1505 ccw(c265,1505) 265,1375 303.58,1375 cw(c303.58,1275) 374.29,1345.71 R23.2@400,1320 ; R23.2@405,1320 R22.1@450,1320
AUX_CL: R31.2 U6.7 | length 425
  Top Layer w6: R31.2@-519.29,2254.29 ccw(c-448.58,2325) -448.58,2225 v1(-381,2225) ; v1@-330,2115 -245,2115 ccw(c-245,2140) -220,2140 U6.7@-220,2160.63
  Bottom Layer w6: v1(-381,2225) cw(c-381,2193.13) -349.13,2193.13 -349.13,2155.01 ccw(c-298.7,2155.01) v1@-334.38,2119.38 ; v1@-334.37,2119.37 v1@-330,2115
  other v1: -330,2114
AUX_DA: R29.2 U6.21 | length 235.7
  Top Layer w6: R29.2@-530,2310 R29.2@-527.5,2307.5 ; R29.2@-525,2310 -488.28,2273.28 ccw(c-420,2341.57) -420,2245 -380,2245 cw(c-380,2225) -360,2225 -360,2217.43 ccw(c-350.44,2217.43) -350.44,2207.87 U6.21@-340,2207.87
BOOT: R12.2 U4.44 | length 59
  Top Layer w6: R12.2@-420.47,1425 U4.44@-420.47,1479 U4.44@-420.47,1484
CAD1: pad.0@-375,2435 U8.6 | length 92.2
  Top Layer w6: U8.6@-467,2435.16 -467,2435 pad.0@-375,2435
CONNECT_1: SB1.2 U4.10 | length 133.4
  Top Layer w6: U4.10@-314,1683.9 ccw(c-314,1734.35) -301.97,1685.35 ccw(c-314,1734.35) -278.33,1698.67 -212,1765
CONNECT_2: SB2.2 U4.11 | length 136.2
  Top Layer w6: U4.11@-314,1703.58 ccw(c-314,1733.96) -292.52,1712.48 -217.12,1787.88 cw(c-212,1782.76) SB2.2@-212,1790
CONNECT_3: SB3.2 U4.12 | length 145.3
  Top Layer w6: U4.12@-314,1723.27 ccw(c-314,1752.88) -293.06,1731.94 -238.54,1786.46 ccw(c-247.07,1795) -235,1795 cw(c-222.93,1795) -231.46,1803.54 -217.12,1817.88 cw(c-212,1812.76) SB3.2@-212,1820
CONNECT_4: SB4.2 U4.13 | length 177.9
  Top Layer w6: U4.13@-341.73,1751 -313.8,1751 ccw(c-313.8,1798.8) -280,1765 -252.07,1792.93 ccw(c-269.14,1810) -245,1810 cw(c-221.34,1810) -238.07,1826.73 -216.78,1848.02 cw(c-212,1843.24) SB4.2@-212,1850
D+: CON2.2 R9.1 | length 72.3
  Top Layer w6: CON2.2@39.41,195 39.41,259.41 R9.1@45,265
D-: CON2.3 R10.1 | length 128.8
  Top Layer w6: CON2.3@65,195 65,222.93 cw(c82.07,222.93) 82.07,240 117.93,240 ccw(c117.93,257.07) 130,245 R10.1@147.5,262.5
DCC: L1.2 M1.14 | length 65.5
  Top Layer w20: L1.2@-35,1660 28.74,1660 M1.14@30,1658.74
DEC1: C17.2 M1.15 | length 61.3
  Top Layer w20: C17.2@-35,1605 M1.15@26.26,1605
DEC2: C18.2 M1.4 | length 65.3
  Top Layer w20: C18.2@-35,2160 26.96,2160 cw(c26.96,2155.7) M1.4@30,2158.74
DEC3: C19.2 M1.5 | length 65.3
  Top Layer w20: C19.2@-35,2110 26.96,2110 cw(c26.96,2105.7) M1.5@30,2108.74
DEC4: C20.2 L2.1 M1.13 | length 123.1
  Top Layer w20: L2.1@-75,1745 C20.2@-35,1705 26.26,1705 M1.13@30,1708.74